# Altium PCB Rear Power Distribution.PcbDoc (part 2 of 3) (continued)
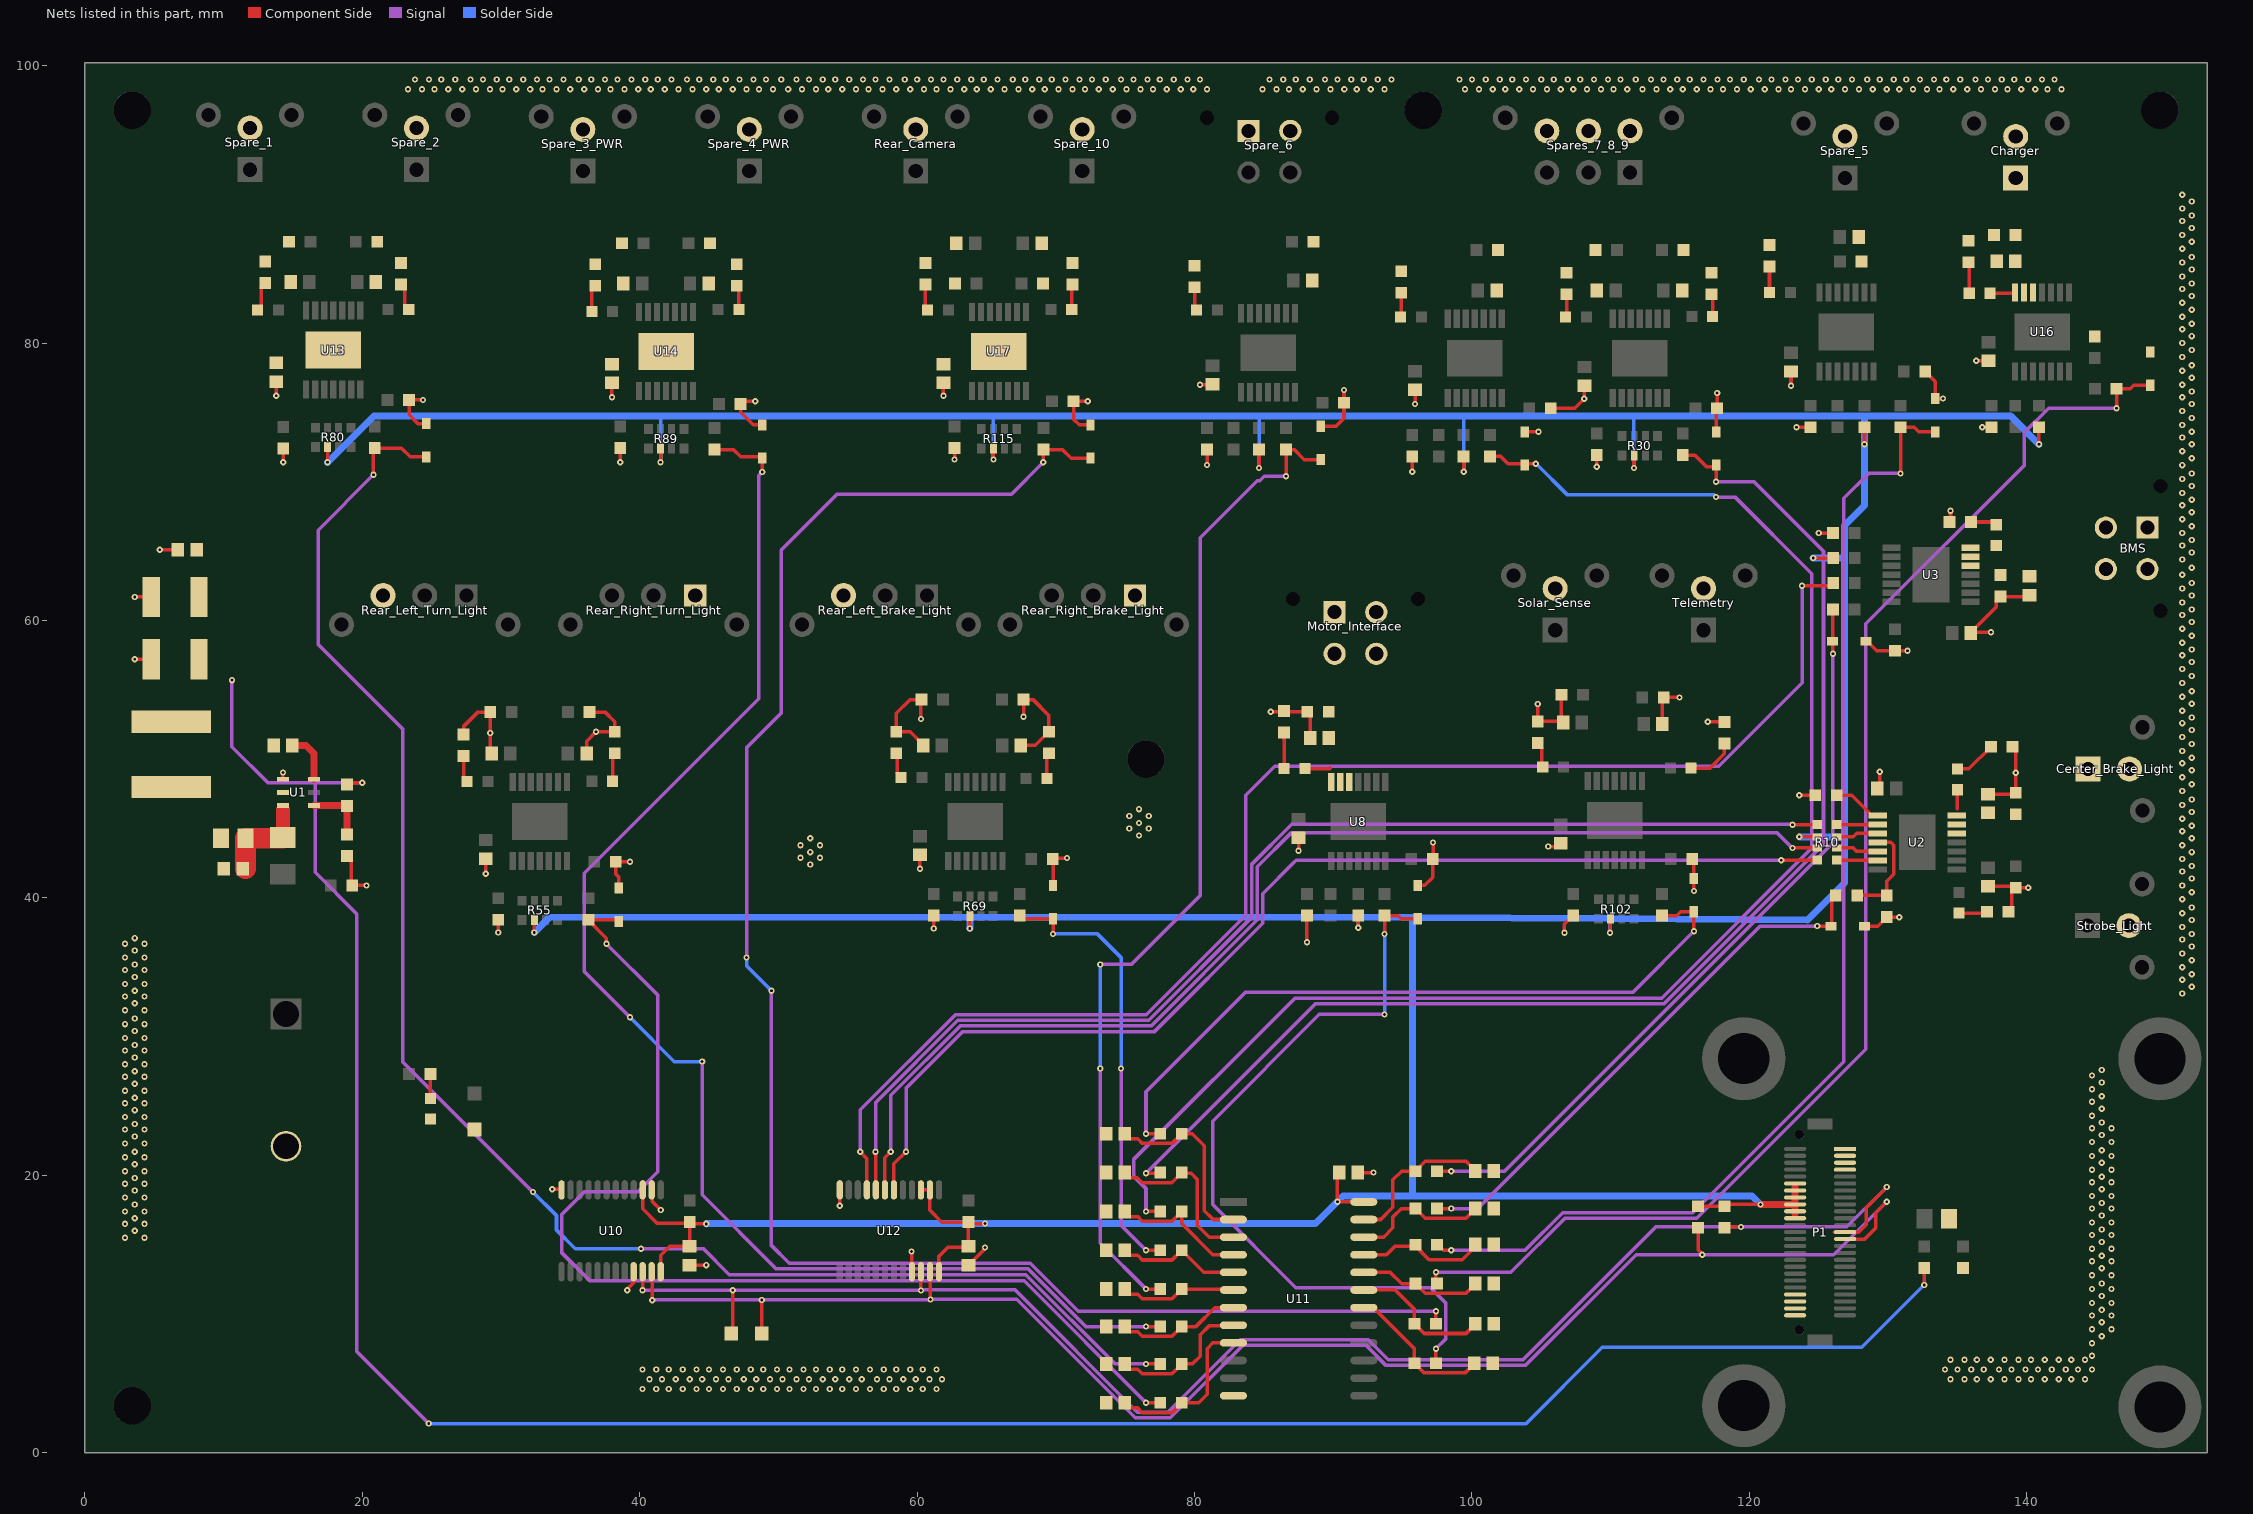
[diagram p4: the nets of this part, all layers, seen from the top]
## Nets (pads, with @x,y where several pads share a name; then routed paths per layer and width w, separated by ;. In a path a pad name is that pad's centre, name@x,y a point inside that pad or via, vN(x,y) a via of type N, cw(c..) or ccw(c..) an arc to the next point about the centre after c; other vN are vias at no path point) (continued)
  Component Side w0.254: 135,46.429 LED2.1@135,47.8
Charger_PWR: C50.1 Charger.1 LED18.1 R101.1 U16.12 U16.13 U16.14 | length 1.8
  Component Side w0.254: LED18.1@137.35,83.59 139.09,83.59 U16.14@139.15,83.65
GND: BMS.3 BMS.4 C2.2 C3.2 C4.2 C5.2 C6.2 C7.2 C8.2 C9.2 C10.2 C11.2 C12.2 C13.2 C14.2 C15.2 C16.2 C17.2 C18.2 C19.2 C20.2 C21.2 C22.2 C23.2 C24.2 C25.2 C26.2 C27.2 C28.2 C29.2 C30.2 C31.2 C32.2 C33.2 C34.2 C35.2 C36.2 C37.2 C38.2 C39.2 C40.2 C41.2 C42.2 C43.2 C44.2 C45.2 C46.2 C47.2 C48.2 C49.2 C50.2 C51.2 C52.2 C53.2 C54.2 C55.2 C56.2 C57.2 C58.2 C59.2 C60.2 Center_Brake_Light.2 Charger.2 D1.1 D2.1 D3.1 D4.1 D5.1 D6.1 D7.1 D8.1 D9.1 D10.1 D11.1 D12.1 D13.1 D14.1 GND.TP LED1.2 Motor_Interface.3 Motor_Interface.4 P1.1 P1.2 P1.3 P1.4 P1.26 P1.27 P1.28 P1.29 Power.2 R4.2 R5.2 R6.2 R11.2 R12.2 R13.2 R14.2 R17.2 R18.2 R20.2 R24.2 R25.2 R26.2 R28.2 R31.2 R32.2 R35.2 R36.2 R37.2 R38.2 R41.2 R42.2 R43.2 R45.2 R47.2 R50.2 R51.2 R52.2 R53.2 R56.2 R60.2 R61.2 R62.2 R63.2 R66.2 R67.2 R68.2 R70.2 R71.2 R72.2 R75.2 R76.2 R77.2 R81.2 R82.2 R83.2 R84.2 R87.2 R88.2 R90.2 R91.2 R92.2 R93.2 R96.2 R97.2 R98.2 R99.2 R101.2 R106.2 R107.2 R108.2 R109.2 R112.2 R113.2 R114.2 R116.2 R117.2 R118.2 R121.2 R122.2 R123.2 R124.2 R126.2 R130.2 R131.2 Rear_Camera.2 Rear_Left_Brake_Light.3 Rear_Left_Turn_Light.3 Rear_Right_Brake_Light.1 Rear_Right_Turn_Light.1 Solar_Sense.2 Spare_1.2 Spare_2.2 Spare_3_PWR.2 Spare_4_PWR.2 Spare_5.2 Spare_6.3 Spare_6.4 Spare_10.2 Spares_7_8_9.4 Spares_7_8_9.5 Spares_7_8_9.6 Strobe_Light.2 Telemetry.2 U1.1 U10.2 U10.12 U10.21 U11.12 U12.12 U12.21 | length 148
  Component Side w0.254: v1(3.6,57.2) C4.2@4.775,57.2 ; v1(3.6,61.7) C3.2@4.775,61.7 ; v1(5.395,65.1) C2.2@6.5,65.1 ; v1(13.8,76.2) C39.2@13.8,77.225 ; U1.1@14.275,48.55 v1(14.275,49.05) ; v1(14.3,71.4) R84.2@14.3,72.4 ; R4.2@18.9,43.025 19.198,42.727 19.198,40.977 R6.2@19.275,40.9 v1(20.3,40.9) ; v1(24.375,75.9) R88.2@23.375,75.9 23.375,74.825 24,74.2 D9.1@24.6,74.2 ; R67.2@27.3,51.775 27.3,52.362 28.338,53.4 R52.2@29.225,53.4 v1(29.225,51.884) 29.225,50.5 C27.2@29.325,50.4 ; v1(28.9,41.741) C25.2@28.9,42.825 ; v1(29.8,37.5) R62.2@29.8,38.425 ; v1(33.7,19) 34.315,19 U10.12@34.365,18.95 ; C29.2@36.175,50.4 36.175,51.3 v1(36.85,51.975) R68.2@38.2,51.975 38.2,52.7 37.5,53.4 R61.2@36.375,53.4 ; v1(38,76.1) C43.2@38,77.125 ; R66.2@38.175,42.7 R66.2@38.275,42.6 ; D7.1@38.5,40.7 38.473,40.727 38.473,41.527 38.275,41.725 R66.2@38.275,42.6 ; v1(38.6,71.4) R93.2@38.6,72.425 ; v1(39.1,11.708) 39.1,11.801 39.528,12.229 39.528,13.012 U10.21@39.565,13.05 ; v1(39.3,42.6) R66.2@38.275,42.6 ; U10.2@40.865,18.953 40.903,18.915 40.903,18.115 v1(41.515,17.503) ; C36.2@43.6,13.525 43.675,13.6 43.75,13.525 v1(44.8,13.525) ; v1(48.326,75.8) 47.275,75.8 R97.2@47.275,75.6 47.275,75 48.175,74.1 D10.1@48.827,74.1 D10.1@49,74.1 ; v1(54.425,17.8) U12.12@54.425,18.95 ; v1(59.6,14.5) 59.6,13.075 U12.21@59.625,13.05 ; v1(60.2,42.1) C32.2@60.2,43.1 ; v1(60.27,52.9) 60.27,54.245 R70.2@60.325,54.3 59.496,54.3 58.5,53.304 R76.2@58.5,51.975 59.5,51.975 60.425,51.05 C33.2@60.425,51 ; v1(61.2,37.8) R72.2@61.2,38.725 ; v1(61.9,76.2) C54.2@61.9,77.125 ; v1(62.7,71.6) R118.2@62.7,72.425 ; C38.2@63.7,13.525 64.9,14.725 v1(64.9,14.8) ; C34.2@67.475,51 68.525,51 R77.2@69.5,51.975 69.5,53.154 68.354,54.3 R71.2@67.675,54.3 v1(67.675,53.061) ; R75.2@69.775,42.9 R75.2@69.8,42.875 ; D8.1@69.8,40.9 R75.2@69.8,42.875 ; v1(70.8,42.875) R75.2@69.8,42.875 ; v1(72.3,75.8) R121.2@71.275,75.8 71.275,74.5 71.675,74.1 D13.1@72.5,74.1 ; v1(80.4,77) 81.275,77 C15.2@81.3,77.025 ; v1(80.9,71.216) R35.2@80.9,72.325 ; v1(85.5,53.427) 86.402,53.427 R53.2@86.45,53.475 ; R53.2@86.45,53.427 88.125,53.427 88.325,53.227 C28.2@88.325,51.527 ; v1(87.5,43.4) C26.2@87.5,44.325 ; v1(88.1,36.8) 88.1,38.525 88,38.625 R60.2@88.1,38.725 ; D3.1@89.1,74 90.2,74 90.775,74.575 R36.2@90.775,75.7 v1(90.775,76.625) ; C37.2@91.775,20.2 v1(92.9,20.2) ; v1(95.7,70.725) R50.2@95.7,71.825 ; v1(95.9,75.6) C21.2@95.9,76.625 ; D6.1@96.1,40.9 96.6,40.9 97.175,41.475 R63.2@97.175,42.8 97.2,42.825 v1(97.2,44) ; D5.1@103.8,73.6 103.805,73.605 v1(104.8,73.605) ; v1(104.75,53.971) R113.2@104.75,52.725 106.5,52.725 106.45,52.775 R99.2@106.45,54.65 ; v1(105.5,43.7) 106.175,43.7 C47.2@106.4,43.925 ; R51.2@105.675,75.3 107.421,75.3 v1(108.1,75.979) C16.2@108.1,76.925 ; v1(106.666,37.481) 106.666,38.091 R109.2@107.3,38.725 ; v1(109,71.084) R38.2@109,71.925 ; C52.2@113.725,52.55 113.725,54.35 R107.2@113.825,54.45 v1(114.954,54.45) ; R112.2@115.875,42.8 116,42.675 D12.1@116,41.4 v1(116,40.5) ; v1(117,52.7) 118.175,52.7 R114.2@118.2,52.675 ; D4.1@117.6,73.6 117.6,75.275 117.575,75.3 117.675,75.4 v1(117.675,76.4) ; v1(123,76.916) C58.2@123,77.95 ; v1(123.4,73.925) R130.2@124.4,73.925 ; v1(123.6,47.4) R13.2@124.75,47.4 ; v1@124.951,66.3 v1(124.999,66.3) R24.2@126.025,66.3 ; D1.1@128.143,37.968 D1.1@128.296,37.968 129.243,37.968 R18.2@129.9,38.625 ; D2.1@128.4,58.504 128.5,58.504 129.179,57.825 R25.2@130.5,57.825 v1(131.4,57.825) ; C8.2@129.225,47.9 129.4,48.075 v1(129.4,49.1) ; R18.2@130,38.825 130.225,38.6 v1(130.8,38.6) ; R131.2@132.675,77.95 133.4,77.225 D14.1@133.4,76 v1(133.954,76) ; R26.2@134.425,67.1 134.5,67.175 v1(134.5,67.906) ; v1(136.35,78.725) C48.2@137.25,78.725 ; v1(136.783,73.925) R106.2@137.462,73.925 ; C11.2@137.2,40.825 139.1,40.825 R12.2@139.2,40.725 ; C10.2@137.2,47.475 139.1,47.475 R11.2@139.2,47.575 v1(139.2,49.025) 139.2,50.675 R14.2@138.975,50.9 ; v1(137.421,59.15) 136.025,59.15 C12.2@135.975,59.1 135.975,59.15 137.802,60.977 137.802,61.427 R20.2@138.1,61.725 140.1,61.725 C13.2@140.2,61.825 ; R17.2@138.675,39 138.902,39.227 138.902,40.427 R12.2@139.2,40.725 ; v1(140.1,40.725) R12.2@139.2,40.725
  other v1: 40.2,4.6 41.2,4.6 42.1,4.6 43.1,4.6 44.1,4.6 45,4.6 46,4.6 47,4.6 48,4.6 48.9,4.6 49.9,4.6 50.8,4.6 51.8,4.6 52.7,4.6 53.7,4.6 54.6,4.6 55.6,4.6 56.6,4.6 57.6,4.6 58.5,4.6 59.5,4.6 60.4,4.6 61.4,4.6 40.7,5.3 41.6,5.3 42.6,5.3 43.6,5.3 44.5,5.3 45.5,5.3 46.4,5.3 47.5,5.3 48.4,5.3 49.4,5.3 50.3,5.3 51.3,5.3 52.2,5.3 53.2,5.3 54.1,5.3 55.1,5.3 56,5.3 57.1,5.3 58,5.3 59,5.3 59.9,5.3 60.9,5.3 61.8,5.3 134.5,5.3 135.5,5.3 136.4,5.3 137.4,5.3 138.4,5.3 139.4,5.3 140.3,5.3 141.3,5.3 142.3,5.3 143.2,5.3 144.2,5.3 40.2,6 41.2,6 42.1,6 43.1,6 44.1,6 45,6 46,6 47,6 48,6 48.9,6 49.9,6 50.8,6 51.8,6 52.7,6 53.7,6 54.6,6 55.6,6 56.6,6 57.6,6 58.5,6 59.5,6 60.4,6 61.4,6 134.1,6 135,6 136,6 136.9,6 138,6 138.9,6 139.9,6 140.8,6 141.8,6 142.8,6 143.7,6 144.7,6 134.5,6.7 135.5,6.7 136.4,6.7 137.4,6.7 138.4,6.7 139.4,6.7 140.3,6.7 141.3,6.7 142.3,6.7 143.2,6.7 144.2,6.7 144.7,7 144.7,7.9 145.4,8.4 144.7,8.9 146.1,8.9 145.4,9.4 144.7,9.9 146.1,9.9 145.4,10.3 144.7,10.8 146.1,10.8 145.4,11.3 144.7,11.8 146.1,11.8 145.4,12.2 144.7,12.8 146.1,12.8 145.4,13.3 144.7,13.8 146.1,13.8 145.4,14.2 144.7,14.7 146.1,14.7 145.4,15.2 2.9,15.5 4.3,15.5 144.7,15.7 146.1,15.7 3.6,16 145.4,16.1 2.9,16.5 4.3,16.5 144.7,16.6 146.1,16.6 3.6,16.9 145.4,17.1 2.9,17.4 4.3,17.4 144.7,17.6 146.1,17.6 3.6,17.9 145.4,18 2.9,18.4 4.3,18.4 144.7,18.5 146.1,18.5 3.6,18.9 145.4,19 2.9,19.4 4.3,19.4 144.7,19.5 146.1,19.5 3.6,19.8 145.4,19.9 2.9,20.3 4.3,20.3 144.7,20.4 146.1,20.4 3.6,20.8 145.4,20.9 2.9,21.3 4.3,21.3 144.7,21.4 146.1,21.4 3.6,21.7 145.4,21.8 2.9,22.3 4.3,22.3 144.7,22.4 146.1,22.4 3.6,22.8 145.4,22.9 2.9,23.3 4.3,23.3 144.7,23.4 146.1,23.4 3.6,23.7 145.4,23.8 2.9,24.2 4.3,24.2 144.7,24.3 3.6,24.7 145.4,24.8 2.9,25.2 4.3,25.2 144.7,25.3 3.6,25.6 145.4,25.7 2.9,26.1 4.3,26.1 144.7,26.2 3.6,26.6 145.4,26.7 2.9,27.1 4.3,27.1 144.7,27.2 3.6,27.5 145.4,27.6 2.9,28 4.3,28 3.6,28.5 2.9,29 4.3,29 3.6,29.4 2.9,29.9 4.3,29.9 3.6,30.4 2.9,30.9 4.3,30.9 3.6,31.3 2.9,31.9 4.3,31.9 3.6,32.4 2.9,32.9 4.3,32.9 151.2,33.1 3.6,33.3 151.9,33.6 2.9,33.8 4.3,33.8 151.2,34.1 3.6,34.3 151.9,34.5 2.9,34.8 4.3,34.8 151.2,35 3.6,35.2 151.9,35.5 2.9,35.7 4.3,35.7 151.2,36 3.6,36.2 151.9,36.5 2.9,36.7 4.3,36.7 151.2,37 3.6,37.1 151.9,37.4 151.2,37.9 151.9,38.4 151.2,38.9 151.9,39.3 151.2,39.9 151.9,40.4 151.2,40.9 151.9,41.4 151.2,41.9 151.9,42.3 52.3,42.4 151.2,42.8 51.6,42.9 53,42.9 52.3,43.3 151.9,43.3 51.6,43.8 53,43.8 151.2,43.8 52.3,44.3 151.9,44.3 76,44.5 151.2,44.8 75.3,45 76.7,45 151.9,45.2 76,45.4 151.2,45.7 75.3,45.9 76.7,45.9 151.9,46.2 76,46.4 151.2,46.7 151.9,47.1 151.2,47.7 151.9,48.2 151.2,48.7 151.9,49.2 151.2,49.7 151.9,50.1 151.2,50.6 151.9,51.1 151.2,51.6 151.9,52.1 151.2,52.6 151.9,53 151.2,53.5 151.9,54 151.2,54.5 151.9,54.9 151.2,55.5 151.9,56 151.2,56.5 151.9,57 151.2,57.5 151.9,57.9 151.2,58.4 151.9,58.9 151.2,59.4 151.9,59.9 151.2,60.4 151.9,60.8 151.2,61.3 151.9,61.8 151.2,62.3 151.9,62.7 151.2,63.3 151.9,63.8 151.2,64.4 151.9,64.9 151.2,65.4 151.9,65.8 151.2,66.3 151.9,66.8 151.2,67.3 151.9,67.8 151.2,68.3 151.9,68.7 151.2,69.2 151.9,69.7 151.2,70.2 151.9,70.6 151.2,71.2 151.9,71.7 151.2,72.2 151.9,72.7 151.2,73.2 151.9,73.6 151.2,74.1 151.9,74.6 151.2,75.1 151.9,75.6 151.2,76.1 151.9,76.5 151.2,77 151.9,77.5 151.2,78 151.9,78.4 151.2,79 151.9,79.5 151.2,80 151.9,80.5 151.2,81 151.9,81.4 151.2,81.9 151.9,82.4 151.2,82.9 151.9,83.4 151.2,83.9 151.9,84.3 151.2,84.8 151.9,85.3 151.2,85.8 151.9,86.2 151.2,86.8 151.9,87.3 151.2,87.8 151.9,88.3 151.2,88.8 151.9,89.2 151.2,89.7 151.9,90.2 151.2,90.7 23.3,98.3 24.3,98.3 25.2,98.3 26.2,98.3 27.2,98.3 28.2,98.3 29.2,98.3 30.1,98.3 31.1,98.3 32.1,98.3 33,98.3 34,98.3 35,98.3 36,98.3 37,98.3 37.9,98.3 38.9,98.3 39.9,98.3 40.8,98.3 41.8,98.3 42.8,98.3 43.8,98.3 44.8,98.3 45.7,98.3 46.7,98.3 47.7,98.3 48.6,98.3 49.6,98.3 50.7,98.3 51.7,98.3 52.7,98.3 53.6,98.3 54.6,98.3 55.6,98.3 56.5,98.3 57.5,98.3 58.5,98.3 59.5,98.3 60.5,98.3 61.4,98.3 62.4,98.3 63.4,98.3 64.3,98.3 65.3,98.3 66.3,98.3 67.3,98.3 68.3,98.3 69.2,98.3 70.2,98.3 71.2,98.3 72.1,98.3 73.1,98.3 74.1,98.3 75.1,98.3 76.1,98.3 77,98.3 78,98.3 79,98.3 79.9,98.3 80.9,98.3 84.901,98.3 85.901,98.3 86.801,98.3 87.801,98.3 88.801,98.3 89.801,98.3 90.801,98.3 91.701,98.3 92.701,98.3 93.701,98.3 99.501,98.3 100.501,98.3 101.501,98.3 102.401,98.3 103.401,98.3 104.401,98.3 105.401,98.3 106.401,98.3 107.301,98.3 108.301,98.3 109.301,98.3 110.201,98.3 111.201,98.3 112.301,98.3 113.301,98.3 114.301,98.3 115.201,98.3 116.201,98.3 117.201,98.3 118.101,98.3 119.101,98.3 120.101,98.3 121.101,98.3 122.101,98.3 123.001,98.3 124.001,98.3 125.001,98.3 125.901,98.3 126.901,98.3 127.901,98.3 128.901,98.3 129.901,98.3 130.801,98.3 131.801,98.3 132.801,98.3 133.701,98.3 134.701,98.3 135.701,98.3 136.701,98.3 137.701,98.3 138.601,98.3 139.601,98.3 140.601,98.3 141.501,98.3 142.501,98.3 23.8,99 24.8,99 25.7,99 26.7,99 27.8,99 28.7,99 29.7,99 30.6,99 31.6,99 32.6,99 33.5,99 34.5,99 35.6,99 36.5,99 37.5,99 38.4,99 39.4,99 40.4,99 41.3,99 42.3,99 43.4,99 44.3,99 45.3,99 46.2,99 47.2,99 48.2,99 49.1,99 50.2,99 51.3,99 52.2,99 53.2,99 54.1,99 55.1,99 56.1,99 57,99 58,99 59.1,99 60,99 61,99 61.9,99 62.9,99 63.9,99 64.8,99 65.8,99 66.9,99 67.8,99 68.8,99 69.7,99 70.7,99 71.7,99 72.6,99 73.6,99 74.7,99 75.6,99 76.6,99 77.5,99 78.5,99 79.5,99 80.4,99 85.401,99 86.401,99 87.301,99 88.301,99 89.401,99 90.301,99 91.301,99 92.201,99 93.201,99 94.201,99 99.101,99 100.001,99 101.001,99 102.001,99 102.901,99 103.901,99 105.001,99 105.901,99 106.901,99 107.801,99 108.801,99 109.801,99 110.701,99 111.801,99 112.901,99 113.801,99 114.801,99 115.701,99 116.701,99 117.701,99 118.601,99 119.601,99 120.701,99 121.601,99 122.601,99 123.501,99 124.501,99 125.501,99 126.401,99 127.401,99 128.501,99 129.401,99 130.401,99 131.301,99 132.301,99 133.301,99 134.201,99 135.201,99 136.301,99 137.201,99 138.201,99 139.101,99 140.101,99 141.101,99 142.001,99
IO_EX_I2C_SCL: I2C_SCL.TP P1.14 R8.2 U10.23 U12.23 | length 113.5
  Component Side w0.254: U10.23@40.865,13.053 40.9,13.018 v1(40.9,11) ; I2C_SCL.TP@48.8,8.634 v1(48.8,11.019) ; U12.23@60.925,13.05 60.956,13.019 v1(60.956,11.056) ; R8.2@116.3,16.225 116.3,14.634 116.6,14.334 v1(116.6,14.281) ; P1.14@126.9,15.4 128.3,15.4 129.106,16.206 129.106,17.306 v1(129.9,18.1)
  Signal w0.254: v1(40.9,11) 40.919,11.019 v1(48.8,11.019) 60.919,11.019 v1(60.956,11.056) 67.17,11.056 75.713,2.513 78.245,2.513 83.464,7.733 92.367,7.733 93.807,6.293 103.85,6.293 111.838,14.281 v1(116.6,14.281) 126.081,14.281 v1(129.9,18.1)
IO_EX_I2C_SDA: I2C_SDA.TP P1.13 R9.2 U10.22 U12.22 | length 114.1
  Component Side w0.254: v1(40.208,11.708) 40.208,13.042 U10.22@40.215,13.05 U10.22@40.215,13.053 ; I2C_SDA.TP@46.6,8.634 46.7,8.734 v1(46.7,11.708) ; v1(60.275,11.7) U12.22@60.275,13.05 ; R9.2@118.3,16.253 118.315,16.268 118.3,16.283 v1(119.4,16.283) ; P1.13@126.135,15.909 126.891,15.909 126.9,15.9 127.894,15.9 128.425,16.431 128.425,17.675 v1(129.9,19.15)
  Signal w0.254: v1(40.208,11.708) v1(46.7,11.708) 56.092,11.708 v1@60.267,11.708 ; v1(60.275,11.7) 60.312,11.737 67.063,11.737 75.881,2.919 78.077,2.919 83.296,8.139 92.536,8.139 93.975,6.699 103.681,6.699 113.265,16.283 v1(119.4,16.283) 127.033,16.283 v1(129.9,19.15)
Motor_Interface_PWR: C28.1 LED9.1 Motor_Interface.1 Motor_Interface.2 R56.1 U8.12 U8.13 U8.14 | length 1.9
  Component Side w0.254: LED9.1@87.95,49.317 89.74,49.317 89.8,49.377
NetC1_1: C1.1 U1.6 | length 3.7
  Component Side w0.5: C1.1@14.95,51 15.95,51 16.525,50.425 U1.6@16.525,48.55
NetC1_2: C1.2 L1.1 U1.2
NetC5_1: C5.1 C6.1 R1.2 U1.3 | length 6.9
  Component Side w1: R1.2@14.254,44.304 14.275,44.325 14.275,46.325
  Component Side w1.5: C6.1@11.575,42.1 C5.1@11.575,44.304 R1.2@14.254,44.304
NetC9_1: C9.1 R16.1 U11.22 | length 9.9
  Component Side w0.254: U11.22@92.2,15.545 93.63,15.545 94.3,16.215 94.3,17 94.9,17.6 R16.1@95.925,17.6 96.629,16.896 99.571,16.896 100.225,17.55 C9.1@100.225,17.6
NetC14_1: C14.1 R23.1 U11.23 | length 11.2
  Component Side w0.254: U11.23@92.2,16.815 93.415,16.815 94.3,17.7 94.3,19.675 94.925,20.3 R23.1@95.925,20.3 96.629,21.004 99.571,21.004 100.225,20.35 C14.1@100.225,20.3
NetC19_1: C19.1 R34.1 U11.6 | length 8.5
  Component Side w0.254: C19.1@74.975,11.8 74.975,11.75 75.298,11.427 75.91,11.427 76.241,11.096 78.371,11.096 R34.1@79.075,11.8 ; R34.1@79.075,11.775 82.76,11.775 U11.6@82.8,11.735
NetC22_1: C22.1 R40.1 U11.3 | length 12.3
  Component Side w0.254: C22.1@74.975,20.2 74.975,20.15 75.298,19.827 75.86,19.827 76.218,19.469 78.344,19.469 R40.1@79.075,20.2 ; R40.1@79.075,20.15 79.75,20.15 80.2,19.7 80.2,16.4 81.055,15.545 U11.3@82.8,15.545
NetC24_1: C24.1 R49.1 U11.4 | length 10.3
  Component Side w0.254: C24.1@74.99,17.415 C24.1@74.975,17.4 74.975,17.35 75.298,17.027 75.91,17.027 76.241,16.696 78.371,16.696 R49.1@79.075,17.4 79.075,16.525 81.325,14.275 U11.4@82.8,14.275
NetC30_1: C30.1 R59.1 U11.18 | length 10.8
  Component Side w0.254: U11.18@92.2,10.461 92.9,10.461 95.854,7.507 R59.1@95.854,6.455 96.558,5.751 99.5,5.751 100.154,6.405 C30.1@100.154,6.455
NetC31_1: C31.1 R65.1 U11.9 | length 12.2
  Component Side w0.254: C31.1@74.975,3.6 74.975,3.55 75.298,3.227 75.91,3.227 76.241,2.896 78.371,2.896 R65.1@79.075,3.6 80.3,3.6 80.906,4.206 80.906,7.506 81.325,7.925 U11.9@82.8,7.925
NetC35_1: C35.1 R74.1 U11.5 | length 9.3
  Component Side w0.254: C35.1@74.975,14.55 75.298,14.227 75.91,14.227 76.241,13.896 78.371,13.896 R74.1@79.013,14.537 ; R74.1@78.95,14.6 R74.1@79.012,14.537 ; R74.1@79.115,14.435 R74.1@79.013,14.537 ; U11.5@82.8,13.005 80.67,13.005 79.177,14.497 R74.1@79.075,14.6 R74.1@79.013,14.537
NetC42_1: C42.1 R86.1 U11.8 | length 10.5
  Component Side w0.254: C42.1@74.975,6.4 74.975,6.35 75.298,6.027 75.91,6.027 76.241,5.696 78.371,5.696 R86.1@79.075,6.4 79.845,6.4 80.4,6.955 80.4,8.5 81.038,9.138 82.743,9.138 U11.8@82.8,9.195
NetC46_1: C46.1 R95.1 U11.7 | length 9
  Component Side w0.254: C46.1@74.975,9.1 74.975,9.05 75.298,8.727 75.91,8.727 76.241,8.396 78.371,8.396 R95.1@79.075,9.1 80.1,9.1 81.465,10.465 U11.7@82.8,10.465
NetC51_1: C51.1 R105.1 U11.20 | length 9
  Component Side w0.254: U11.20@92.2,13.005 94.095,13.005 94.925,12.175 R105.1@95.925,12.175 ; R105.1@95.925,12.2 96.629,11.496 99.571,11.496 100.225,12.15 C51.1@100.225,12.2
NetC53_1: C53.1 R111.1 U11.2 | length 13.7
  Component Side w0.254: C53.1@74.975,23 74.975,22.95 75.298,22.627 75.91,22.627 76.241,22.296 78.371,22.296 R111.1@79.075,23 79.827,23 80.7,22.127 80.7,17.455 81.34,16.815 U11.2@82.8,16.815
NetC57_1: C57.1 R120.1 U11.19 | length 10.1
  Component Side w0.254: U11.19@92.2,11.735 94.465,11.735 95.854,10.346 R120.1@95.854,9.446 ; R120.1@95.854,9.3 96.558,8.596 99.571,8.596 100.225,9.25 C57.1@100.225,9.3
NetC60_1: C60.1 R129.1 U11.21 | length 9.2
  Component Side w0.254: U11.21@92.2,14.271 93.836,14.271 94.465,14.9 95.825,14.9 R129.1@95.925,15 ; R129.1@95.925,14.9 96.906,13.919 99.294,13.919 100.225,14.85 C60.1@100.225,14.9
NetD1_2: D1.2 R15.1 R16.2 | length 39.2
  Component Side w0.254: R16.2@97.475,17.6 v1(98.5,17.6) ; v1(124.895,37.968) D1.2@125.896,37.968 125.927,37.999 125.927,39.877 R15.1@126.225,40.175
  Signal w0.254: v1@98.5,17.575 100.375,17.575 120.768,37.968 v1(124.895,37.968)
NetD2_2: D2.2 R22.1 R23.2 | length 55.2
  Component Side w0.254: R23.2@97.475,20.3 v1(98.5,20.3) ; v1(126.025,57.609) 126.025,58.479 D2.2@126,58.504 126,60.775 R22.1@126.025,60.8
  Signal w0.254: v1(98.5,20.3) 102.348,20.3 126.025,43.977 v1(126.025,57.609)
NetD3_2: D3.2 R33.1 R34.2 | length 73.6
  Component Side w0.254: v1(76.5,11.8) R34.2@77.525,11.8 ; v1(86.6,70.4) R33.1@86.6,72.325 87.175,72.325 87.9,71.6 D3.2@89.1,71.6
  Signal w0.254: v1(73.2,27.7) 73.2,15.1 v1(76.5,11.8) ; v1(73.2,35.2) 75.426,35.2 80.4,40.174 80.4,65.963 84.518,70.081 84.694,70.081 85.013,70.4 v1(86.6,70.4)
  Solder Side w0.254: v1(73.2,27.7) v1(73.2,35.2)
NetD4_2: D4.2 R39.1 R40.2 | length 94.8
  Component Side w0.254: v1(76.5,20.15) 77.475,20.15 R40.2@77.525,20.2 ; R39.1@115.2,71.925 116.075,71.925 116.9,71.1 117.4,71.1 117.6,71.3 D4.2@117.6,71.2 v1(117.6,70)
  Signal w0.254: v1(76.5,20.15) 88.72,32.37 113.844,32.37 125.344,43.87 125.344,64.992 120.336,70 v1(117.6,70)
NetD5_2: D5.2 R48.1 R49.2 | length 109.9
  Component Side w0.254: v1(76.5,17.4) R49.2@77.525,17.4 ; R48.1@101.3,71.825 102.075,71.825 102.6,71.3 103.8,71.3 D5.2@103.8,71.2 103.9,71.3 v1(104.6,71.3)
  Signal w0.254: v1(76.5,17.4) 76.5,19.047 75.6,19.947 75.6,21.137 87.239,32.776 113.676,32.776 124.5,43.6 124.5,63.363 118.963,68.9 v1(117.6,68.9)
  Solder Side w0.254: v1(104.6,71.3) 104.633,71.3 106.852,69.082 117.418,69.082 v1(117.6,68.9)
NetD6_2: D6.2 R58.1 R59.2 | length 55.6
  Component Side w0.254: v1(93.7,37.4) R58.1@93.7,38.725 94.675,38.725 94.9,38.5 D6.2@96.1,38.5 ; v1(97.4,7.5) 97.4,6.459 R59.2@97.404,6.455
  Signal w0.254: v1(93.7,31.6) 89,31.6 81.3,23.9 81.3,17.9 87.306,11.894 97.006,11.894 98.1,10.8 98.1,8.2 v1(97.4,7.5)
  Solder Side w0.254: v1(93.7,31.6) v1(93.7,37.4)
NetD7_2: D7.2 R64.1 R65.2 | length 80.9
  Component Side w0.254: R64.1@36.3,38.425 38.375,38.425 D7.2@38.5,38.3 ; R64.1@36.4,38.3 37.6,37.1 v1(37.6,36.7) ; v1(76.5,3.6) R65.2@77.525,3.6
  Signal w0.254: v1(37.6,36.7) 41.3,33 41.3,20.25 39.85,18.8 36,18.8 34.365,17.166 34.365,14.435 36.411,12.389 67.711,12.389 v1(76.5,3.6)
NetD8_2: D8.2 R73.1 R74.2 | length 32.1
  Component Side w0.254: R73.1@67.4,38.725 67.625,38.5 D8.2@69.8,38.5 v1(69.8,37.4) ; v1(76.5,14.6) R74.2@77.525,14.6
  Signal w0.254: v1(74.7,27.7) 74.7,16.4 v1(76.5,14.6)
  Solder Side w0.254: v1(69.8,37.4) 73,37.4 74.7,35.7 v1(74.7,27.7)
NetD9_2: D9.2 R85.1 R86.2 | length 116.7
  Component Side w0.254: v1(20.8,70.5) 20.8,72.325 R85.1@20.9,72.425 22.825,72.425 23.45,71.8 D9.2@24.6,71.8 ; v1(76.5,6.4) R86.2@77.525,6.4
  Signal w0.254: v1(20.8,70.5) 16.818,66.518 16.818,58.267 22.9,52.185 22.9,28.2 v1(32.3,18.8) ; v1(40.1,14.7) 44.6,14.7 46.456,12.844 67.83,12.844 74.274,6.4 v1(76.5,6.4)
  Solder Side w0.254: v1(32.3,18.8) 34,17.1 34,16.06 35.36,14.7 v1(40.1,14.7)
NetD10_2: D10.2 R94.1 R95.2 | length 104
  Component Side w0.254: R94.1@45.4,72.325 46.75,72.325 47.275,71.8 49,71.8 D10.2@49,71.7 ; v1(48.827,70.7) D10.2@48.827,71.7 ; v1(76.5,9.1) R95.2@77.525,9.1
  Signal w0.254: v1(39.3,31.4) 36.006,34.694 36.006,41.78 48.576,54.35 48.576,70.449 v1(48.827,70.7) ; v1(44.5,28.2) 44.5,18.6 49.85,13.25 67.998,13.25 72.148,9.1 v1(76.5,9.1)
  Solder Side w0.254: v1(39.3,31.4) 42.5,28.2 v1(44.5,28.2)
NetD11_2: D11.2 R104.1 R105.2 | length 99
  Component Side w0.254: v1(97.4,13.005) 97.4,12.275 R105.2@97.475,12.2 ; v1(146.475,75.3) R104.1@146.475,76.7 147.448,76.7 147.71,76.962 D11.2@148.91,76.962
  Signal w0.254: v1(97.4,13.005) 102.805,13.005 106.706,16.906 116.206,16.906 128.4,29.1 128.4,59.766 139.831,71.197 139.831,73.56 141.571,75.3 v1(146.475,75.3)
NetD12_2: D12.2 R110.1 R111.2 | length 52.2
  Component Side w0.254: v1(76.5,23) R111.2@77.525,23 ; R110.1@113.7,38.725 114.775,38.725 115.05,39 D12.2@116,39 v1(116,37.6)
  Signal w0.254: v1(76.5,23) 76.5,26.016 83.666,33.182 111.582,33.182 v1(116,37.6)
NetD13_2: D13.2 R119.1 R120.2 | length 128.8
  Component Side w0.254: v1(69.1,71.4) R119.1@69.1,72.325 70.475,72.325 71.1,71.7 D13.2@72.5,71.7 ; v1(97.4,10.2) 97.4,9.304 R120.2@97.404,9.3
  Signal w0.254: v1(47.7,35.7) 47.7,50.826 50.2,53.326 50.2,65.077 54.223,69.1 66.8,69.1 v1(69.1,71.4) ; v1(49.5,33.3) 49.5,14.937 50.781,13.656 68.167,13.656 71.623,10.2 v1(97.4,10.2)
  Solder Side w0.254: v1(47.7,35.7) 47.7,35.1 v1(49.5,33.3)
NetD14_2: D14.2 R128.1 R129.2 | length 86.6
  Component Side w0.254: R129.2@97.475,14.9 97.575,15 97.975,14.6 v1(98.5,14.6) ; v1(130.9,70.6) R128.1@130.9,73.925 131.875,73.925 132.2,73.6 D14.2@133.4,73.6
  Signal w0.254: v1(98.5,14.6) 103.826,14.6 106.538,17.312 115.912,17.312 126.8,28.2 126.8,68.8 128.6,70.6 v1(130.9,70.6)
NetLED1_1: LED1.1 R7.2 | length 1.8
  Component Side w0.254: LED1.1@24.91,25.55 R7.2@24.91,27.3 R7.2@24.96,27.25
NetLED2_2: LED2.2 R14.1 | length 3.1
  Component Side w0.254: LED2.2@135,49.3 135.825,49.3 R14.1@137.425,50.9
NetLED3_2: LED3.2 R17.1 | length 2.1
  Component Side w0.254: LED3.2@135.1,38.9 137.025,38.9 R17.1@137.125,39
NetLED4_2: LED4.2 R26.1 | length 1.9
  Component Side w0.254: R26.1@135.975,67.1 137.6,67.1 LED4.2@137.8,66.9
NetLED5_2: LED5.2 R32.1 | length 1.7
  Component Side w0.254: R32.1@80,84.025 80,82.54 LED5.2@80.15,82.39
NetLED6_2: LED6.2 R41.1 | length 1.6
  Component Side w0.254: R41.1@117.275,83.525 117.35,83.45 LED6.2@117.35,81.91
NetLED7_2: LED7.2 R42.1 | length 1.7
  Component Side w0.254: LED7.2@106.75,81.89 106.825,81.965 R42.1@106.825,83.525
NetLED8_2: LED8.2 R47.1 | length 1.8
  Component Side w0.254: LED8.2@94.85,81.89 94.9,81.94 R47.1@94.9,83.625
NetLED9_2: LED9.2 R53.1 | length 2.2
  Component Side w0.254: R53.1@86.4,51.527 86.45,51.477 LED9.2@86.45,49.317
NetLED10_2: LED10.2 R67.1 | length 1.9
  Component Side w0.254: R67.1@27.3,50.225 27.3,48.64 LED10.2@27.55,48.39
NetLED11_2: LED11.2 R68.1 | length 2.1
  Component Side w0.254: LED11.2@38.05,48.41 38.05,50.275 R68.1@38.2,50.425
NetLED12_2: LED12.2 R76.1 | length 1.9
  Component Side w0.254: R76.1@58.5,50.425 58.577,50.348 58.577,48.963 LED12.2@58.85,48.69
NetLED13_2: LED13.2 R77.1 | length 1.9
  Component Side w0.254: LED13.2@69.35,48.61 69.35,50.275 R77.1@69.5,50.425
NetLED14_2: LED14.2 R82.1 | length 2.2
  Component Side w0.254: LED14.2@12.45,82.39 12.702,82.642 12.702,84.027 R82.1@13,84.325
NetLED15_2: LED15.2 R87.1 | length 2
  Component Side w0.254: R87.1@22.8,84.225 23.077,83.948 23.077,82.683 LED15.2@23.35,82.41
NetLED16_2: LED16.2 R91.1 | length 1.9
  Component Side w0.254: LED16.2@36.55,82.29 36.55,83.875 R91.1@36.8,84.125
NetLED17_2: LED17.2 R96.1 | length 1.8
  Component Side w0.254: R96.1@47,84.125 47.15,83.975 LED17.2@47.15,82.41
NetLED18_2: LED18.2 R98.1 | length 2.3
  Component Side w0.254: R98.1@135.8,85.825 135.85,85.775 LED18.2@135.85,83.59
NetLED19_2: LED19.2 R113.1 | length 1.9
  Component Side w0.254: R113.1@104.75,51.175 105.048,50.877 105.048,49.492 LED19.2@105.1,49.44
NetLED20_2: LED20.2 R114.1 | length 3.6
  Component Side w0.254: LED20.2@115.8,49.36 117.16,49.36 118.2,50.4 R114.1@118.2,51.125
NetLED21_2: LED21.2 R122.1 | length 1.9
  Component Side w0.254: R122.1@60.6,84.225 60.6,82.54 LED21.2@60.75,82.39
NetLED22_2: LED22.2 R123.1 | length 1.8
  Component Side w0.254: LED22.2@71.15,82.41 71.15,84.175 R123.1@71.2,84.225
NetLED23_2: LED23.2 R124.1 | length 1.9
  Component Side w0.254: LED23.2@121.45,83.64 R124.1@121.45,85.525
NetR2_2: R2.2 R4.1 U1.4 | length 4.4
  Component Side w0.5: U1.4@16.525,46.65 R2.2@18.9,46.65 ; R4.1@18.9,44.575 R2.2@18.9,46.625
NetR10_1: R10.1 U12.8 | length 84.7
  Component Side w0.254: v1@56.9,21.7 56.9,21.606 57.025,21.481 U12.8@57.025,18.95 ; v1(123.1,45.28) R10.1@124.9,45.28
  Signal w0.254: v1(57,21.7) 57,25.241 62.935,31.176 76.699,31.176 84.11,38.588 84.11,42.41 87,45.3 v1@123,45.3
NetR10_3: R10.3 U12.7 | length 84.4
  Component Side w0.254: U12.7@57.675,18.95 57.675,21.262 v1@58.1,21.687 ; v1@58,21.593 v1@58,21.687 ; v1(123.1,43.6) R10.3@124.9,43.6
  Signal w0.254: v1(58.1,21.7) 58.1,25.767 63.103,30.77 76.867,30.77 84.516,38.42 84.516,42.242 86.955,44.681 122.019,44.681 v1(123.1,43.6)
NetR10_4: R10.4 U12.6 | length 81.5
  Component Side w0.254: U12.6@58.325,18.95 58.325,20.825 v1(59.2,21.7) ; v1@122.305,42.715 124.895,42.715 R10.4@124.9,42.72
  Signal w0.254: v1(59.2,21.7) 59.2,26.281 63.283,30.364 77.117,30.364 84.922,38.169 84.922,40.311 87.174,42.563 87.321,42.71 87.326,42.715 v1(122.305,42.715)
NetR10_5: R10.5 U2.6 | length 3
  Component Side w0.254: R10.5@126.3,42.72 126.31,42.71 129.24,42.71 U2.6@129.25,42.7
NetR10_6: R10.6 U2.5 | length 3.1
  Component Side w0.254: R10.6@126.3,43.6 127.5,43.6 127.75,43.35 U2.5@129.25,43.35
NetR10_7: R10.7 U2.3 | length 3.1
  Component Side w0.254: R10.7@126.3,44.4 127.5,44.4 127.75,44.65 U2.3@129.25,44.65
NetR10_8: R10.8 U2.2 | length 3
  Component Side w0.254: R10.8@126.3,45.28 126.31,45.29 129.24,45.29 U2.2@129.25,45.3
NetR13_1: R13.1 U2.1 | length 3.6
  Component Side w0.254: R13.1@126.3,47.4 127.37,47.4 128.82,45.95 U2.1@129.25,45.95
NetR15_2: R15.2 R18.1 U2.4 | length 7.2
  Component Side w0.254: R15.2@127.775,40.1 127.85,40.175 R18.1@129.9,40.175 129.9,41.2 130.4,41.7 130.4,43.8 130.2,44 U2.4@129.25,44
NetR19_1: R19.1 U12.9 | length 101
  Component Side w0.254: v1(55.9,21.7) 55.9,21.687 56.375,21.212 U12.9@56.375,18.95 ; v1(123.8,62.5) 125.85,62.5 R19.1@126.05,62.7
  Signal w0.254: v1(55.9,21.7) 55.9,24.715 62.767,31.582 76.53,31.582 83.704,38.756 83.704,47.404 85.794,49.494 117.794,49.494 123.8,55.5 v1(123.8,62.5)